# KiCad board input-output.Multi.kicad_pcb (continued)
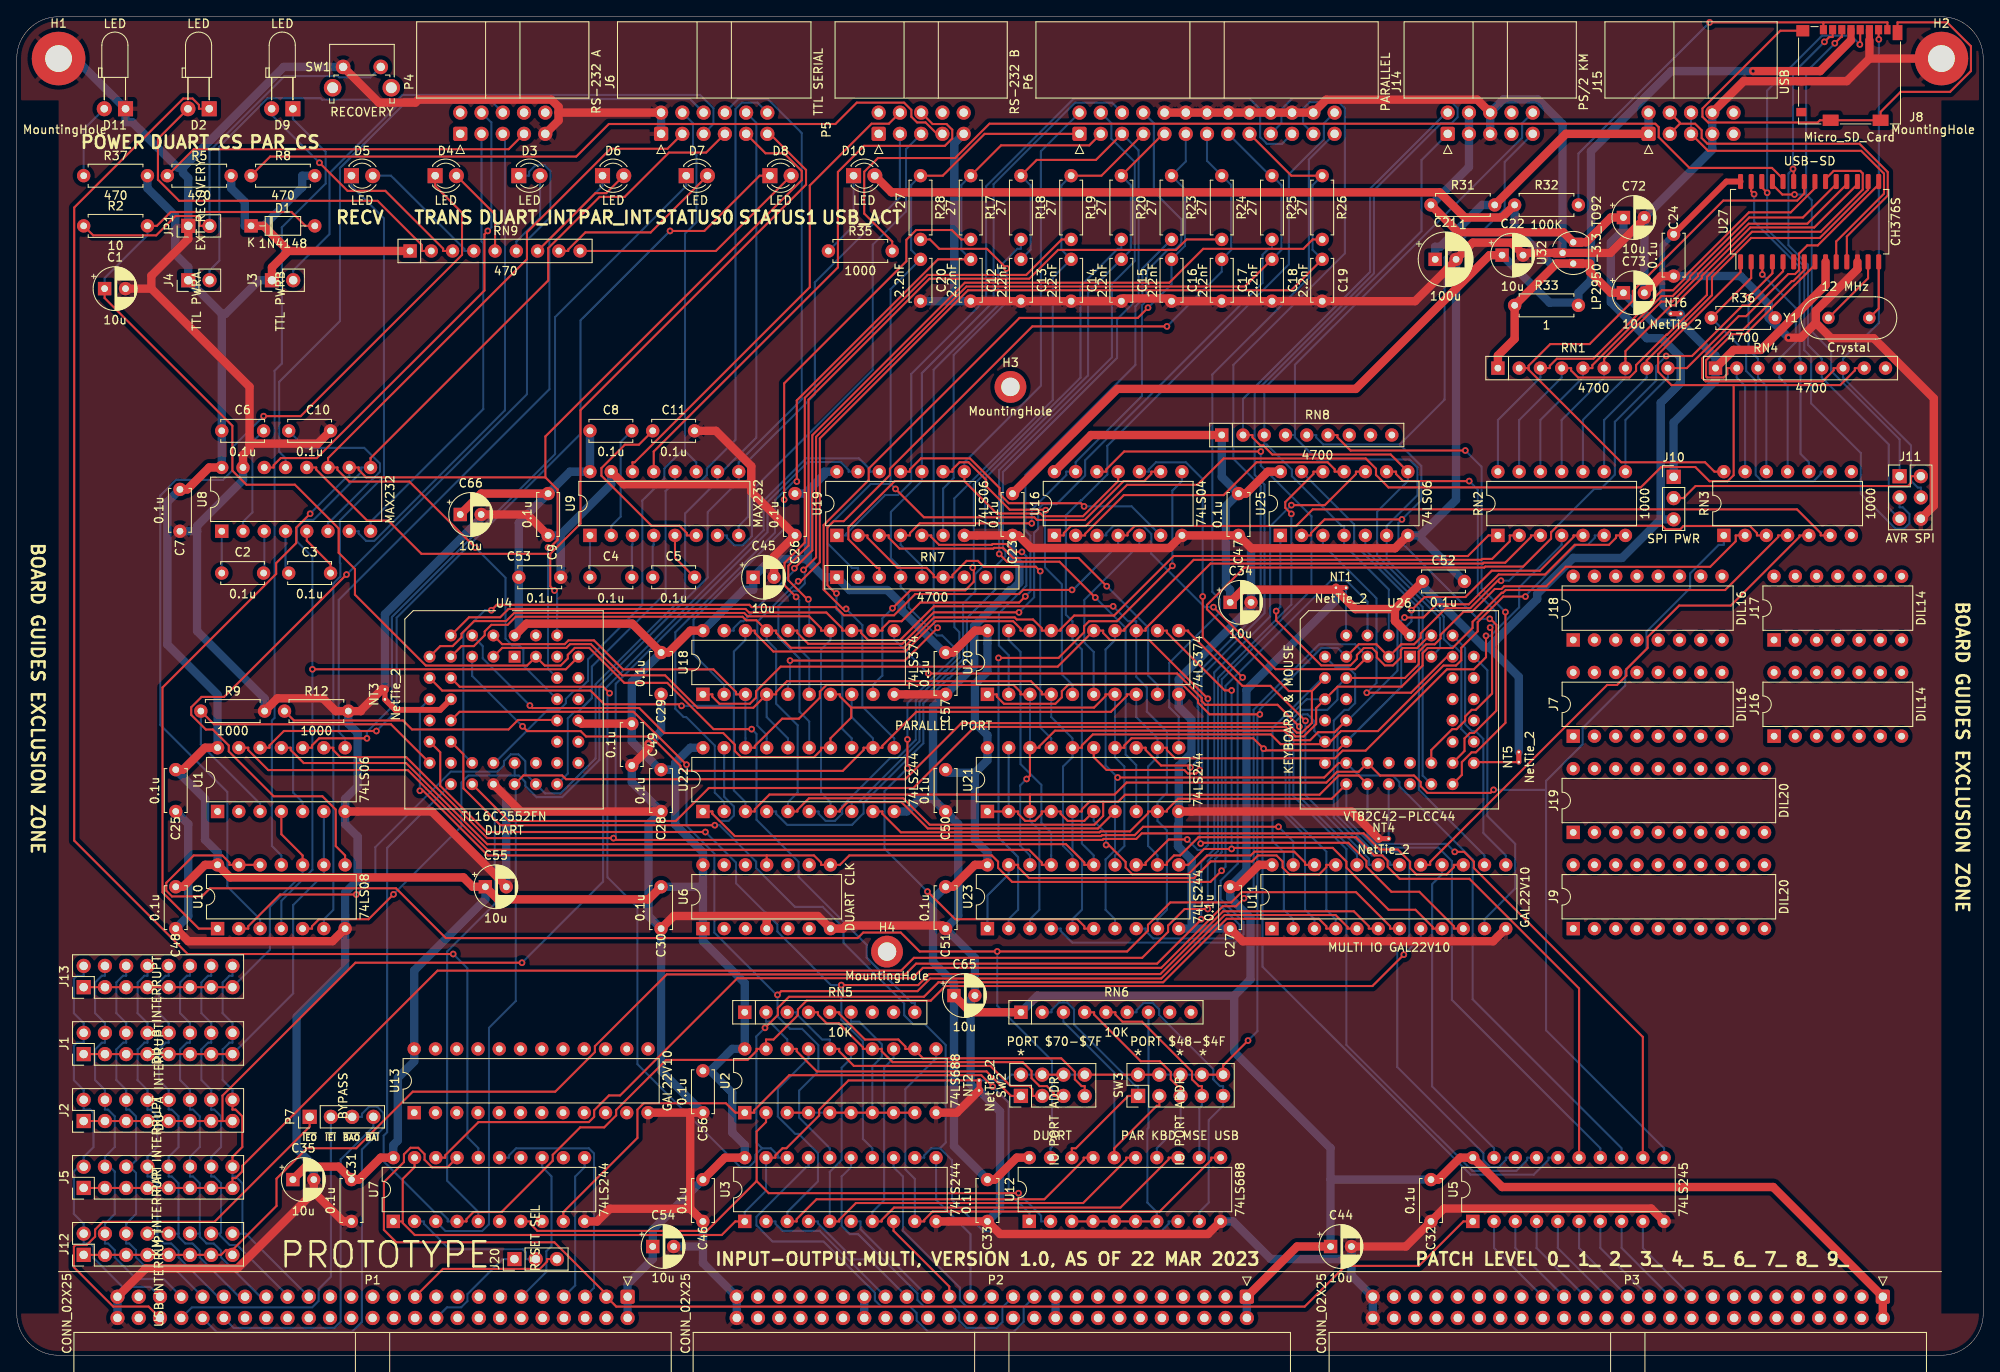
[diagram p0: board, top side]
## Routing (per net, layer and track width the routed paths; a pad name or vN(x,y) marks a point on that pad's centre or on a via; arc(x,y) is an arc through that point) (continued)
~{EIRQ0}: length 51.6
  Bottom w0.25: 8,23.13 6.82,21.95 6.82,16.89 8,15.72 J12.2 8,13.36 8.81,13.36 9.18,13 9.18,11.63 12.63,8.18 15.94,8.18 P1.45 ; 8,23.13 J5.2 ; 8,23.13 8,23.72 9.18,24.89 9.18,29 8.81,29.36 8,29.36 J2.2 8,31.72 6.82,32.89 6.82,37 7.19,37.36 8,37.36 J1.2 8,39.72 6.82,40.89 6.82,45 7.19,45.36 8,45.36 J13.2
~{EIRQ1}: length 50.6
  Bottom w0.25: 10.54,23.13 10.54,23.72 11.72,24.89 11.72,28.56 10.91,29.36 10.54,29.36 J2.4 10.54,31.72 9.36,32.89 9.36,36.56 10.17,37.36 10.54,37.36 J1.4 10.54,39.72 9.36,40.89 9.36,44.56 10.17,45.36 10.54,45.36 J13.4 ; 10.54,23.13 11.72,21.95 11.72,16.89 10.54,15.72 J12.4 10.54,13.36 10.91,13.36 11.72,12.56 11.72,11.69 14.29,9.12 17.54,9.12 P1.43 ; 10.54,23.13 J5.4
~{EIRQ2}: length 50
  Bottom w0.25: P1.41 18.94,10.26 15.7,10.26 14.26,11.7 14.26,12.56 13.45,13.36 13.08,13.36 J12.6 13.08,15.72 14.26,16.89 14.26,21.79 13.51,22.54 ; J13.6 13.08,45.36 12.71,45.36 11.9,44.56 11.9,40.89 13.08,39.72 J1.6 13.08,37.36 12.71,37.36 11.9,36.56 11.9,32.89 13.08,31.72 J2.6 13.08,29.36 13.45,29.36 14.26,28.56 14.26,23.29 13.51,22.54 ; 13.51,22.54 J5.6
~{EIRQ3}: length 49.2
  Bottom w0.25: J12.8 16.78,14.54 ; 16.78,14.54 16.8,14.56 16.8,20.56 15.99,21.36 15.62,21.36 J5.8 15.62,23.72 16.8,24.89 16.8,28.56 15.99,29.36 15.62,29.36 J2.8 15.62,31.72 14.44,32.89 14.44,36.56 15.25,37.36 15.62,37.36 J1.8 15.62,39.72 14.44,40.89 14.44,44.56 15.25,45.36 15.62,45.36 J13.8 ; 16.78,14.54 16.8,14.54 16.8,14.17 17.6,13.36 18.46,13.36 19.34,12.49 19.34,11.7 24.03,7 P1.39
~{EIRQ4}: length 49.2
  Bottom w0.25: 19.32,14.54 19.34,14.56 19.34,20.56 18.53,21.36 18.16,21.36 J5.10 18.16,23.72 19.34,24.89 19.34,28.56 18.53,29.36 18.16,29.36 J2.10 18.16,31.72 16.98,32.89 16.98,36.56 17.79,37.36 18.16,37.36 J1.10 18.16,39.72 16.98,40.89 16.98,44.56 17.79,45.36 18.16,45.36 J13.10 ; 19.32,14.54 J12.10 ; 19.32,14.54 19.34,14.54 19.34,14.17 20.14,13.36 21,13.36 21.88,12.49 21.88,11.7 26.57,7 P1.37
~{EIRQ5}: length 49.2
  Bottom w0.25: P1.35 29.11,7 24.42,11.7 24.42,12.49 23.54,13.36 22.68,13.36 21.88,14.17 21.88,14.54 21.86,14.54 ; 21.86,14.54 21.88,14.56 21.88,20.56 21.07,21.36 20.7,21.36 J5.12 20.7,23.72 21.88,24.89 21.88,28.56 21.07,29.36 20.7,29.36 J2.12 20.7,31.72 19.52,32.89 19.52,36.56 20.33,37.36 20.7,37.36 J1.12 20.7,39.72 19.52,40.89 19.52,44.56 20.33,45.36 20.7,45.36 J13.12 ; 21.86,14.54 J12.12
~{EIRQ6}: length 48.8
  Bottom w0.25: J13.14 23.24,45.36 22.87,45.36 22.06,44.56 22.06,40.89 23.24,39.72 J1.14 23.24,37.36 22.87,37.36 22.06,36.56 22.06,32.89 23.24,31.72 J2.14 23.24,29.36 23.61,29.36 24.42,28.56 24.42,24.89 23.24,23.72 J5.14 23.24,21.36 23.61,21.36 24.42,20.56 24.42,14.67 24.28,14.54 ; 24.28,14.54 24.28,14.34 25.45,13.18 26.33,13.18 32.36,7.14 P1.33 ; 24.28,14.54 J12.14
~{EIRQ7}: length 48.5
  Top w0.25: J2.16 25.78,29.36 26.15,29.36 26.96,28.56 26.96,24.89 25.78,23.72 J5.16
  Bottom w0.25: 26.97,14.54 27.36,14.54 P1.31 ; 26.97,14.54 26.97,20.54 26.15,21.36 25.78,21.36 J5.16 ; 26.97,14.54 J12.16 ; J2.16 25.78,31.72 24.6,32.89 24.6,36.56 25.41,37.36 25.78,37.36 J1.16 25.78,39.72 24.6,40.89 24.6,44.56 25.41,45.36 25.78,45.36 J13.16
~{IEI}: length 39.9
  Bottom w0.25: P7.2 37.54,9.39 36.08,7.93 36.08,6.5 35.31,5.73 20.93,5.73 P1.44
~{IEO}: length 51.1
  Top w0.25: P7.1 35,27.32 23.63,15.96 10.3,15.96 9.36,15.03 9.36,14.18 8.36,13.18 7.01,13.18 6.82,12.99 6.82,10.53 11.53,5.82 15.76,5.82 P1.46
~{IORQ}: length 17.6
  Bottom w0.25: U7.11 67.86,22.49 66.73,21.37 66.73,8.35 P1.7
~{M1}: length 18.6
  Bottom w0.25: U7.13 62.78,22.49 63.91,21.37 63.91,13.05 63.28,12.42 63.28,9.98 P1.11
~{PARIN0}: length 89.1
  Top w0.25: U22.1 83.13,65 83.13,64.74 85.8,62.06 129.58,62.06 129.7,62.17 133.6,62.17 134.6,63.17 v1(150.78,63.17)
  Bottom w0.25: U11.23 152.54,61.42 v1(150.78,63.17) ; U22.1 83.13,65 83.13,64.72 83.97,63.87 85.06,63.87 85.69,64.5 85.69,65.61 84.54,66.76 U22.19
~{PARIN1}: length 56
  Top w0.25: U11.22 153.95,58.62 153.95,58.9 152.66,60.2 147.91,60.2 147.46,59.75 142.24,59.75 139.99,57.49 133.31,57.49 132.51,58.29 132.51,58.97 130.48,61 v1(130.18,61) ; U21.1 U21.2 119.67,65 119.67,64.72 120.51,63.87 121.65,63.87 122.49,64.72 122.49,65 U21.4 124.75,65 124.75,64.72 125.59,63.87 127.57,63.87 U21.6
  Bottom w0.25: U21.6 128.7,63.87 130.18,62.39 v1(130.18,61) ; U21.19 U21.2
~{PARIN2}: length 51.7
  Top w0.25: U11.21 156.49,58.62 156.49,58.34 155.64,57.48 152.08,57.48 151.27,58.3 151.27,59.02 150.54,59.75 148.32,59.75 147.61,59.04 142.69,59.04 140.69,57.04 120.97,57.04 119.67,58.34 119.67,58.62 U23.19
  Bottom w0.25: U23.19 118.54,57.49 116,54.95 U23.1
~{PAROUT0}: length 73.4
  Top w0.25: v1(108.95,81.49) 138.67,81.49 141.62,78.54 141.62,78.18 142.04,77.75 150.67,77.75 v1(153.27,75.15)
  Bottom w0.25: v1(108.95,81.49) 104.95,85.49 104.86,85.49 U18.11 ; U11.20 160.16,59.89 153.45,66.6 153.45,74.97 v1(153.27,75.15)
~{PAROUT2}: length 41.2
  Top w0.25: v1(154,75.84) 149.82,80.02 146.47,80.02 139.99,86.5 139.99,86.62 U20.11
  Bottom w0.25: v1(154,75.84) 154,66.93 161.57,59.36 161.57,58.62 U11.19
~{RD}: length 156.8
  Top w0.25: U5.1 172.87,16 167.56,10.68 158.77,10.68 153.91,5.82 71.64,5.82 P1.3 70.46,7.29 64.24,13.51 45.36,13.51 43.87,14.99 43.87,20.69 46.27,23.09 46.27,24.01 47.06,24.8 47.98,24.8 48.74,24.04 48.74,23.37 49.63,22.47 51.47,22.47 U7.17
~{RES_IN}: length 12.7
  Bottom w0.25: P1.20 51.41,5.73 53.11,5.73 53.86,6.47 53.86,7.31 58.05,11.5 J20.1
~{RES_OUT}: length 19
  Top w0.25: 64.56,11.5 63.38,11.5 63.38,11.2 62.5,10.32 50.92,10.32 P1.21
~{WR}: length 29.7
  Bottom w0.25: U7.15 58.83,23.62 58.83,23.9 59.67,24.75 68.37,24.75 68.99,24.12 68.99,8.07 P1.5
Net-(C2-Pad1): length 5
  Bottom w0.25: U8.1 C2.1
Net-(C2-Pad2): length 5
  Bottom w0.25: U8.3 29.58,93.58 C2.2
Net-(C3-Pad1): length 5.2
  Bottom w0.25: C3.1 32.12,93.88 U8.4
Net-(C3-Pad2): length 6.2
  Top w0.25: U8.5 34.66,97.37 37.5,94.53 C3.2
Net-(C4-Pad1): length 5
  Bottom w0.25: U9.1 C4.1
Net-(C4-Pad2): length 5
  Bottom w0.25: C4.2 73.5,96.79 73.58,96.87 U9.3
Net-(C5-Pad1): length 5
  Bottom w0.25: U9.4 76.12,96.87 76,96.75 C5.1
Net-(C5-Pad2): length 6
  Top w0.25: C5.2 78.66,95.34 U9.5
Net-(C6-Pad2): length 13
  Bottom w0.25: C6.2 28.17,109.17 28.17,100.75 27.04,99.63 U8.2
Net-(C8-Pad2): length 13.5
  Bottom w0.25: C8.2 72.17,109.17 72.17,100.25 71.04,99.13 U9.2
Net-(C10-Pad1): length 23.3
  Bottom w0.25: U8.6 37.2,99.63 37.42,99.63 43.41,105.61 43.41,106.59 41.53,108.46 34.54,108.46 C10.1
Net-(C11-Pad1): length 23.3
  Top w0.25: U9.6 80.07,98 80.07,98.28 79.21,99.15 75.86,99.15 69.87,105.14 69.87,106.05 72.67,108.85 74.35,108.85 C11.1
Net-(D2-Pad1): length 174.5
  Top w0.25: D2.1 21.77,149 21.77,149.46 21.01,150.23 19.9,150.23 6.87,137.2 6.87,61.52 20.43,47.96 v1(52.16,47.96)
  Bottom w0.25: U7.16 55.16,24.75 53.85,26.06 53.85,46.27 v1(52.16,47.96)
Net-(D3-Pad1): length 118.7
  Top w0.25: v1(39.41,93.32) 24.78,78.69 22.09,78.69 20.85,77.46 20.85,76.55 22.6,74.8 23.42,74.8 25.34,72.89 25.34,72.18 30.7,66.82 36.53,66.82 38.11,65.23 38.11,60.87 39.24,59.75 U10.8
  Bottom w0.25: D3.1 61.23,141 61.23,141.46 62.01,142.25 63.09,142.25 63.78,141.56 63.78,136.07 60.97,133.27 60.97,114.88 v1(39.41,93.32)
Net-(D4-Pad1): length 117.1
  Top w0.25: v1(29.5,112.26) 33.94,112.26 53.21,131.53 53.21,136.56 50,139.77 D4.1
  Bottom w0.25: U10.3 29.08,52.13 25.16,56.05 25.16,67.34 17.15,75.34 17.15,102.75 19.04,104.64 24.65,104.64 25.77,105.77 25.77,108.52 v1(29.5,112.26)
Net-(D5-Pad1): length 94.6
  Bottom w0.25: U10.6 36.7,52.13 37.83,53.25 37.83,92.23 38.67,93.08 38.67,94.68 38.61,94.73 38.61,99.8 43.88,105.07 43.88,135.89 40,139.77 D5.1
Net-(D6-Pad1): length 81.7
  Bottom w0.25: U1.8 39.24,73.75 38.48,74.5 38.48,90.31 63.65,115.48 63.65,133.43 70,139.77 D6.1
Net-(D7-Pad1): length 91.4
  Top w0.25: U1.10 35.29,72.62 35.29,72.9 36.13,73.75 v1(41.84,73.75)
  Bottom w0.25: D7.1 80,139.77 64.33,124.1 64.33,107.73 44.83,88.23 44.83,77.49 41.84,74.51 v1(41.84,73.75)
Net-(D8-Pad1): length 103.9
  Top w0.25: D8.1 88.77,141 82.17,134.39 v1(78.07,134.39) ; v1(42.98,74.62) 31.92,74.62 30.21,72.9 30.21,72.62 U1.12
  Bottom w0.25: v1(78.07,134.39) 67.37,123.7 67.37,110.14 45.4,88.17 45.4,77.04 v1(42.98,74.62)
Net-(D9-Pad1): length 95.1
  Bottom w0.25: D9.1 33,147.77 36.92,143.86 36.92,140.06 31.68,134.82 31.68,118.55 30.81,117.68 30.81,76.19 30.49,75.87 30.49,60.87 31.62,59.75 U10.11
Net-(D10-Pad1): length 10.2
  Bottom w0.25: D10.1 100,135 R35.1
Net-(D11-Pad2): length 9
  Bottom w0.25: D11.2 8,146.54 R37.1
Net-(J3-Pad2): length 63.6
  Bottom w0.25: J3.2 33.04,129.68 37.37,134.01 37.37,141.3 46.24,150.17 80.45,150.17 J6.6
Net-(J4-Pad2): length 82.4
  Bottom w0.25: J4.2 23.04,129.68 24.22,130.85 24.22,144.49 29.99,150.26 36.34,150.26 36.52,150.08 45.52,150.08 46.09,150.65 81.66,150.65 83.26,149.05 83.26,147.18 J6.5
Net-(J8-Pad1): length 51.3
  Top w0.25: 215.9,159.33 J8.1 ; 215.9,159.33 223.55,159.33 J8.8 ; 215.9,159.33 v1(202.3,159.33)
  Bottom w0.25: R32.2 186.62,143.64 v1(202.3,159.33)
Net-(J10-Pad2): length 31.1
  Top w0.25: J10.2 199.18,102.46 200.62,103.9 226,103.9 226.36,104.27 226.36,105.08 J11.2
Net-(J12-Pad1): length 217.7
  Top w0.25: v1(141.55,52.13) 141.55,52.09 136.27,46.81 107.47,46.81 106.19,45.53 77.67,45.53 69.09,36.94 69.09,36.25 64.35,31.51 47.33,31.51 40.56,24.75 34.68,24.75 31.04,21.11 31.04,17.85 25.78,12.59 ; J12.15 25.78,12.59 ; 25.78,12.59 25,12.59 24.42,12 J12.13 J12.11 J12.9 J12.7 J12.5 J12.3 J12.1 ; U25.10 160.03,105.62 160.03,105.34 156.32,101.62 v1(152.32,101.62)
  Bottom w0.25: v1(141.55,52.13) 141.55,58.94 143.1,60.49 143.1,81.63 149.78,88.31 149.78,99.08 v1(152.32,101.62)
Net-(J20-Pad2): length 17
  Bottom w0.25: J20.2 60.84,11.5 60.84,12.31 60.47,12.68 51.71,12.68 48.67,15.72 48.67,16 U7.2
Net-(JP1-Pad2): length 51.1
  Top w0.25: JP1.2 21.86,135 21.86,135.81 21.5,136.18 18.98,136.18 16.66,133.86 9.14,133.86 R2.1
  Bottom w0.25: SW1.2 42.25,152.75 38.55,152.75 38.39,152.91 32,152.91 23.04,143.95 JP1.2
Net-(R17-Pad2): length 75
  Top w0.25: v1(91.71,102.27) 91.71,116.17 106.31,130.77 106.31,133.34 107.48,134.51 111.75,134.51 112.87,133.38 R17.2
  Bottom w0.25: v1(91.71,102.27) 91.71,98.8 80.87,87.96 80.87,83.8 84.54,80.13 U18.2
Net-(R18-Pad2): length 74.6
  Top w0.25: v1(92.41,83.04) 106.13,83.04 v1(110.05,86.96)
  Bottom w0.25: U18.5 92.16,80.13 92.41,80.37 v1(92.41,83.04) ; R18.2 120,132.25 119.58,132.25 117.27,129.95 117.27,125.51 109.57,117.82 109.57,87.43 v1(110.05,86.96)
Net-(R19-Pad2): length 77.3
  Top w0.25: R19.2 124.87,133.38 120.63,129.14 108.86,129.14 94.17,114.45 94.17,97.13 91.75,94.71 91.75,92.03 v1(93.13,90.65)
  Bottom w0.25: U18.6 94.7,83.25 93.5,84.44 93.5,90.27 v1(93.13,90.65)
Net-(R20-Pad2): length 70.9
  Top w0.25: v1(114.24,94.14) 114.37,94.02 114.37,92.46 113.35,91.44 106.8,91.44 v1(104.65,89.3)
  Bottom w0.25: U18.9 102.32,80.13 103.45,81.25 103.45,88.09 v1(104.65,89.3) ; v1(114.24,94.14) 114.37,94.27 114.37,104.11 127.13,116.87 127.13,127.8 131.58,132.25 132,132.25 R20.2
Net-(R23-Pad2): length 70.5
  Top w0.25: U18.12 103.45,86.62 103.45,86.9 104.29,87.75 105.75,87.75 107.98,89.98 119.79,89.98 v1(120.53,90.71)
  Bottom w0.25: v1(120.53,90.71) 121.13,91.31 121.13,97.97 120.54,98.56 120.54,105.24 133.68,118.38 133.68,125.38 134.51,126.2 134.51,129.89 R23.2
Net-(R24-Pad2): length 87
  Top w0.25: v1(94.6,90.37) 94.48,90.37 92.2,92.64 92.2,94.37 94.62,96.79 94.62,114.23 109.07,128.69 121,128.69 124.44,132.13 138.55,132.13 139.8,133.38 R24.2
  Bottom w0.25: U18.15 94.7,90.27 v1(94.6,90.37)
Net-(R25-Pad2): length 88.3
  Top w0.25: v1(119.77,88.8) 109.59,88.8 105.83,85.04 94.58,85.04 93.29,86.34 93.29,86.62 U18.16
  Bottom w0.25: R25.2 150,132.25 149.58,132.25 148.87,131.55 148.87,128.19 127.67,106.98 127.67,105.15 124.26,101.75 122.66,101.75 122.05,101.14 122.05,98.78 121.58,98.31 121.58,90.61 v1(119.77,88.8)
Net-(R26-Pad2): length 99.2
  Top w0.25: v1(92.93,94.07) 95.07,96.22 95.07,109.98 113.3,128.2 137.73,128.2 141.78,132.25 153.75,132.25 154.87,133.38 R26.2
  Bottom w0.25: v1(92.93,94.07) 92.93,93.82 86.85,87.75 86.51,87.75 85.67,86.9 85.67,86.62 U18.19
Net-(R28-Pad2): length 46.8
  Top w0.25: R28.2 109.13,133.38 110.25,132.25 115.95,132.25 v1(118.29,129.91)
  Bottom w0.25: U19.6 110.7,103.6 111.97,104.87 111.97,119.56 118.29,125.88 v1(118.29,129.91)
Net-(R35-Pad2): length 126.8
  Top w0.25: U27.24 211.07,140.61 209.75,141.93 199.89,141.93 196.22,145.61 196.22,146.8 195.81,147.21 116.24,147.21 112.13,143.11 102.91,143.11 101.28,141.47 101.28,136.47 104.62,133.13 R35.2
Net-(RN1-Pad2): length 73.6
  Top w0.25: U27.22 213.62,138.88 212.76,138.02 203.93,138.02 193.13,127.22 193.13,126.04 187.96,120.87 183.26,120.87 180.67,118.28 180.67,118 ; RN1.2 180.67,118 ; 180.67,118 180.67,117.82 191.74,106.75 201.75,106.75 202.87,105.62 RN3.14
Net-(RN1-Pad3): length 57.3
  Top w0.25: U27.21 214.88,139.51 211.99,136.61 207,136.61 199.28,128.9 199.28,128.65 197.93,127.3 196.58,127.3 188.41,119.13 184.05,119.13 183.21,118.28 183.21,118 RN1.3
  Bottom w0.25: RN1.3 182.08,116.87 177,111.79 RN2.14
Net-(RN1-Pad4): length 69.3
  Top w0.25: RN1.4 185.75,118 185.75,117.72 186.59,116.87 192.72,116.87 193.51,117.67 193.51,118.36 197.14,121.99 197.23,121.99 201.98,126.74 201.98,128.91 207.36,134.3 215.56,134.3 220.6,139.34 220.6,141.27 220.3,141.57 217.12,141.57 216.16,140.61 U27.20
  Bottom w0.25: RN1.4 184.62,116.87 179.54,111.79 RN2.13
Net-(RN1-Pad5): length 54.5
  Top w0.25: U27.19 217.43,139.98 213.45,136 207.03,136 199.96,128.93 199.96,128.69 197.87,126.61 196.55,126.61 188.29,118.35 188.29,118 RN1.5
  Bottom w0.25: RN1.5 187.16,116.87 182.08,111.79 RN2.12
Net-(RN1-Pad6): length 53.7
  Top w0.25: U27.18 218.69,139.98 213.98,135.26 206.98,135.26 200.92,129.2 200.92,129.02 197.85,125.95 196.53,125.95 189.7,119.13 RN1.6
  Bottom w0.25: RN1.6 189.7,116.87 184.62,111.79 RN2.11
Net-(RN1-Pad7): length 53
  Top w0.25: U27.17 219.97,139.98 214.8,134.81 207.16,134.81 201.37,129.02 201.37,128.76 198.11,125.5 197.71,125.5 192.24,120.03 RN1.7
  Bottom w0.25: RN1.7 192.24,116.87 187.16,111.79 RN2.10
Net-(RN1-Pad8): length 52.5
  Top w0.25: RN1.8 194.78,118.91 202.58,126.71 202.58,128.87 207.26,133.55 215.45,133.55 221.24,139.33 U27.16
  Bottom w0.25: RN2.9 189.7,111.79 194.78,116.87 RN1.8
Net-(RN1-Pad9): length 50.3
  Top w0.25: U27.15 222.5,139.95 215.22,132.67 213.96,132.67 212.98,131.68 212.98,129.71 212.51,129.24 211.69,129.24 206.65,124.21 205.77,124.21 199.56,118 RN1.9
  Bottom w0.25: RN1.9 197.32,116.87 192.24,111.79 RN2.8
Net-(RN3-Pad10): length 37.5
  Top w0.25: v1(207.61,138.79) 207.26,139.13 U27.27
  Bottom w0.25: v1(207.61,138.79) 207.61,135.52 213.05,130.08 213.05,119.24 213.16,119.13 RN4.5 213.16,107.75 214.16,106.75 RN3.10
Net-(RN3-Pad11): length 28
  Top w0.25: U27.3 208.6,130.64 v1(208.6,129.2)
  Bottom w0.25: RN3.11 211.62,115.87 210.62,116.87 RN4.4 210.62,119.13 212.6,121.11 212.6,125.19 v1(208.6,129.2)
Net-(RN3-Pad12): length 27.2
  Top w0.25: v1(206.94,126.48) 209.81,129.34 U27.4
  Bottom w0.25: v1(206.94,126.48) 206.94,120.26 208.08,119.13 RN4.3 208.08,116.87 209.08,115.87 RN3.12
Net-(RN3-Pad13): length 37.4
  Top w0.25: RN4.2 204.41,118 204.41,117.3 203.99,116.87 202,116.87 201.87,117 201.87,118.93 205,122.06 206.58,122.06 212.48,127.95 212.5,127.95 214.88,130.34 U27.8
  Bottom w0.25: RN4.2 205.54,116.87 206.54,115.87 RN3.13
Net-(RN5-Pad2): length 36.1
  Top w0.25: U2.18 93.21,36.62 93.21,36.34 95.62,33.93 115.9,33.93 118.82,31 SW2.1
  Bottom w0.25: RN5.2 89.54,39.87 89.95,39.87 92.08,37.75 U2.18
Net-(RN5-Pad3): length 36
  Top w0.25: SW2.3 121.36,31 121.36,31.81 121,32.18 118.77,32.18 116.36,34.59 100.04,34.59 98.29,36.34 98.29,36.62 U2.16
  Bottom w0.25: U2.16 97.16,37.75 96.25,37.75 93.21,40.79 93.21,41 RN5.3
Net-(RN5-Pad4): length 35.8
  Top w0.25: SW2.5 123.9,31 123.9,31.37 123.1,32.18 122.22,32.18 121.27,33.13 121.27,33.98 120.21,35.04 104.66,35.04 103.37,36.34 103.37,36.62 U2.14 101.11,36.62 101.11,36.81 98.24,39.69 96.78,39.69 95.75,40.72 95.75,41 RN5.4
Net-(RN5-Pad5): length 36.2
  Top w0.25: 107.18,36.62 108.3,35.49 124.82,35.49 126.44,33.87 126.44,32.98 127.25,32.18 127.62,32.18 SW2.7 ; 107.18,36.62 106.19,36.62 106.19,36.9 105.35,37.75 101.36,37.75 98.29,40.82 98.29,41 RN5.5 ; 107.18,36.62 U2.12
Net-(RN5-Pad6): length 29.8
  Top w0.25: U2.5 U2.6 U2.7 U2.8 U2.9 ; U2.4 U2.3
  Bottom w0.25: U2.5 U2.4 ; U2.7 102.24,34.53 103.38,35.67 103.38,37.18 100.68,39.87 99.7,39.87 RN5.6
Net-(RN6-Pad2): length 30.1
  Top w0.25: SW3.1 132.82,31 126.57,24.75 126.08,24.75 U12.18
  Bottom w0.25: SW3.1 134,32.18 133.7,32.18 126.35,39.53 126.35,41.34 125.53,42.16 124.54,42.16 123.67,41.28 123.67,41 RN6.2
Net-(RN6-Pad3): length 29.7
  Top w0.25: U12.16 131.16,24.75 136.24,29.82 136.54,29.82 SW3.3
  Bottom w0.25: RN6.3 125.08,39.87 131.16,33.79 U12.16
Net-(RN6-Pad4): length 25.5
  Top w0.25: RN6.4 128.75,41 128.75,40.72 134.32,35.14 136.61,35.14 137.9,33.85 137.9,32.98 138.71,32.18 139.08,32.18 SW3.5
  Bottom w0.25: U12.14 136.24,24.75 139.08,27.59 SW3.5
Net-(RN6-Pad5): length 24.5
  Top w0.25: RN6.5 131.29,41 131.29,40.72 132.13,39.87 134.47,39.87 140.44,33.9 140.44,32.98 141.25,32.18 141.62,32.18 SW3.7
  Bottom w0.25: U12.12 141.32,29.52 141.62,29.82 SW3.7
Net-(RN6-Pad6): length 34.7
  Bottom w0.25: RN6.6 133.83,41 133.83,41.28 134.67,42.13 135.75,42.13 136.51,41.37 136.51,40.68 142.98,34.2 142.98,32.98 143.79,32.18 144.16,32.18 SW3.9 144.16,29.82 142.45,28.11 142.45,18.25 141.32,17.13 U12.9
Net-(RN6-Pad7): length 35.7
  Top w0.25: U12.7 U12.6 U12.5 U12.4 U12.3
  Bottom w0.25: RN6.7 135.24,27.2 135.11,27.07 135.11,18.25 136.24,17.13 U12.7
Net-(U16-Pad2): length 36.4
  Top w0.25: U25.11 157.49,105.62 157.49,105.9 156.65,106.75 148.15,106.75 144.23,102.82 132.3,102.82 127.67,98.19 127.67,98 U16.2
Net-(U16-Pad5): length 22.2
  Bottom w0.25: U16.5 134.16,96.87 127.57,90.29 127.57,85.21 128.7,84.08 U20.6
Net-(U16-Pad6): length 36.1
  Top w0.25: U19.11 106.75,105.62 106.75,105.9 108.05,107.21 113.91,107.21 117.45,103.67 117.45,102.94 118.54,101.85 127.17,101.85 v1(127.55,101.47)
  Bottom w0.25: v1(127.55,101.47) 133.23,101.47 U16.6
Net-(U16-Pad8): length 71.3
  Top w0.25: v1(138.1,94.36) 131.48,87.75 128.16,87.75 127.54,87.13 127.54,86.41 124.49,83.36 v1(117.32,83.36)
  Bottom w0.25: U16.8 139.24,104.49 138.1,103.35 v1(138.1,94.36) ; U23.2 118.54,52.13 119.67,53.25 119.67,59.55 117.32,61.89 v1(117.32,83.36)
Net-(U16-Pad10): length 91.9
  Top w0.25: v1(141.73,90.7) 141.73,85.79 v1(146.49,81.02)
  Bottom w0.25: U23.4 124.75,51 124.75,50.72 126.13,49.33 145.59,49.33 146.61,50.34 146.61,51.77 143.87,54.51 143.87,56.72 145.91,58.76 145.91,80.44 v1(146.49,81.02) ; v1(141.73,90.7) 141.73,104.73 139.71,106.75 136.13,106.75 135.29,105.9 135.29,105.62 U16.10
Net-(U16-Pad12): length 100
  Top w0.25: U16.12 130.21,105.62 130.21,105.9 132.34,108.03 v1(148.66,108.03)
  Bottom w0.25: U23.8 134.91,51 134.91,50.72 135.8,49.83 145.43,49.83 146.14,50.53 146.14,51.46 143.21,54.38 143.21,59.32 144,60.12 144,80.79 154.72,91.51 154.72,100.3 148.66,106.35 v1(148.66,108.03)
Net-(U19-Pad3): length 45.4
  Top w0.25: U19.3 104.21,98 104.21,97.72 105.5,96.42 116.7,96.42 116.79,96.51 117.87,96.51 119.08,95.3 126.88,95.3 v1(130.26,91.93)
  Bottom w0.25: v1(130.26,91.93) 135.19,86.99 135.19,81.25 136.32,80.13 U20.9
Net-(U19-Pad5): length 32.1
  Top w0.25: U19.5 109.29,98 109.29,97.81 110.22,96.87 116.52,96.87 116.61,96.97 118.26,96.97 119.21,96.03 v1(120.12,96.03)
  Bottom w0.25: v1(120.12,96.03) 120.65,95.5 120.65,91.99 117.37,88.72 117.37,84.84 118.54,83.67 U20.2
Net-(U19-Pad9): length 39.1
  Top w0.25: U19.9 111.83,105.62 111.83,105.9 112.67,106.75 113.74,106.75 115.84,104.64 115.84,103.89 118.66,101.07 122.91,101.07 v1(122.96,101.02)
  Bottom w0.25: U20.5 126.16,80.13 124.89,81.4 124.89,92.17 122.87,94.18 122.87,100.93 v1(122.96,101.02)
Net-(U25-Pad1): length 35.5
  Top w0.25: U26.42 168.84,86.04 167.34,84.54 165.63,84.54 165.39,84.29 165.39,83.39 164.46,82.46 163.49,82.46 162.53,83.42 162.53,83.98 161.97,84.54 160.98,84.54 160.15,83.71 160.15,83.24 159.37,82.46 155.89,82.46 150.5,87.85 v1(150.5,88.96)
  Bottom w0.25: v1(150.5,88.96) 151,89.45 U25.1
Net-(U25-Pad3): length 34
  Top w0.25: U26.41 170.92,83.5 166.61,79.19 v1(161.33,79.19)
  Bottom w0.25: U25.3 156.08,96.87 162.49,90.46 162.49,80.36 v1(161.33,79.19)
Net-(U25-Pad5): length 33
  Bottom w0.25: U25.5 161.16,96.29 168,89.44 168,69.3 U26.26
Net-(U25-Pad9): length 49.5
  Top w0.25: U25.9 164.83,105.62 164.83,105.34 165.67,104.49 v1(173.57,104.49) ; v1(176.07,86.98) 176.3,86.75 176.3,79.1 174.35,77.15 173.87,77.15 173.08,76.36 173.08,75.86 172.06,74.84 171.54,74.84 169.04,72.35 U26.27
  Bottom w0.25: v1(173.57,104.49) 174.6,103.47 174.6,91.04 176.77,88.86 176.77,87.68 v1(176.07,86.98)
Net-(U27-Pad13): length 8.7
  Top w0.25: U27.13 221.24,128.74 Y1.1
Net-(U27-Pad14): length 7.2
  Top w0.25: U27.14 222.5,125.12 Y1.2
unconnected-(J8-Pad11): length 66.5
  Top w0.25: J8.11 210.74,158.32 201.44,149.03 201.44,148.04 202.13,147.36 215.22,147.36 215.48,147.62 J8.11 J8.11 222.73,148.63 225.12,151.02 231.03,151.02 233.53,153.52 233.53,156.48 230.68,159.33 224.75,159.33 J8.11

## Copper pours and planes (outline as drawn; the poured copper is in the pictures)
GND on Top, Bottom: 235,0 0,0 0,160 235,160

## Text on the board
F.Silkscreen: ~{IEO} | ~{IEI} | ~{BAO} | ~{BAI} | DUART | PARALLEL PORT | PORT $70-$7F | PORT $48-$4F | PAR KBD MSE USB | MULTI IO GAL22V10 | USB-SD | 12 MHz | KEYBOARD & MOUSE | * | POWER | DUART_CS | PAR_CS | RECV | TRANS | DUART_INT | PAR_INT | STATUS0 | STATUS1 | USB_ACT | INPUT-OUTPUT.MULTI, VERSION 1.0, AS OF 22 MAR 2023 | PATCH LEVEL 0_ 1_ 2_ 3_ 4_ 5_ 6_ 7_ 8_ 9_ | BOARD GUIDES EXCLUSION ZONE | PROTOTYPE
